# Altium PCB LAY-94611_B.PcbDoc (part 1 of 16) (continued)
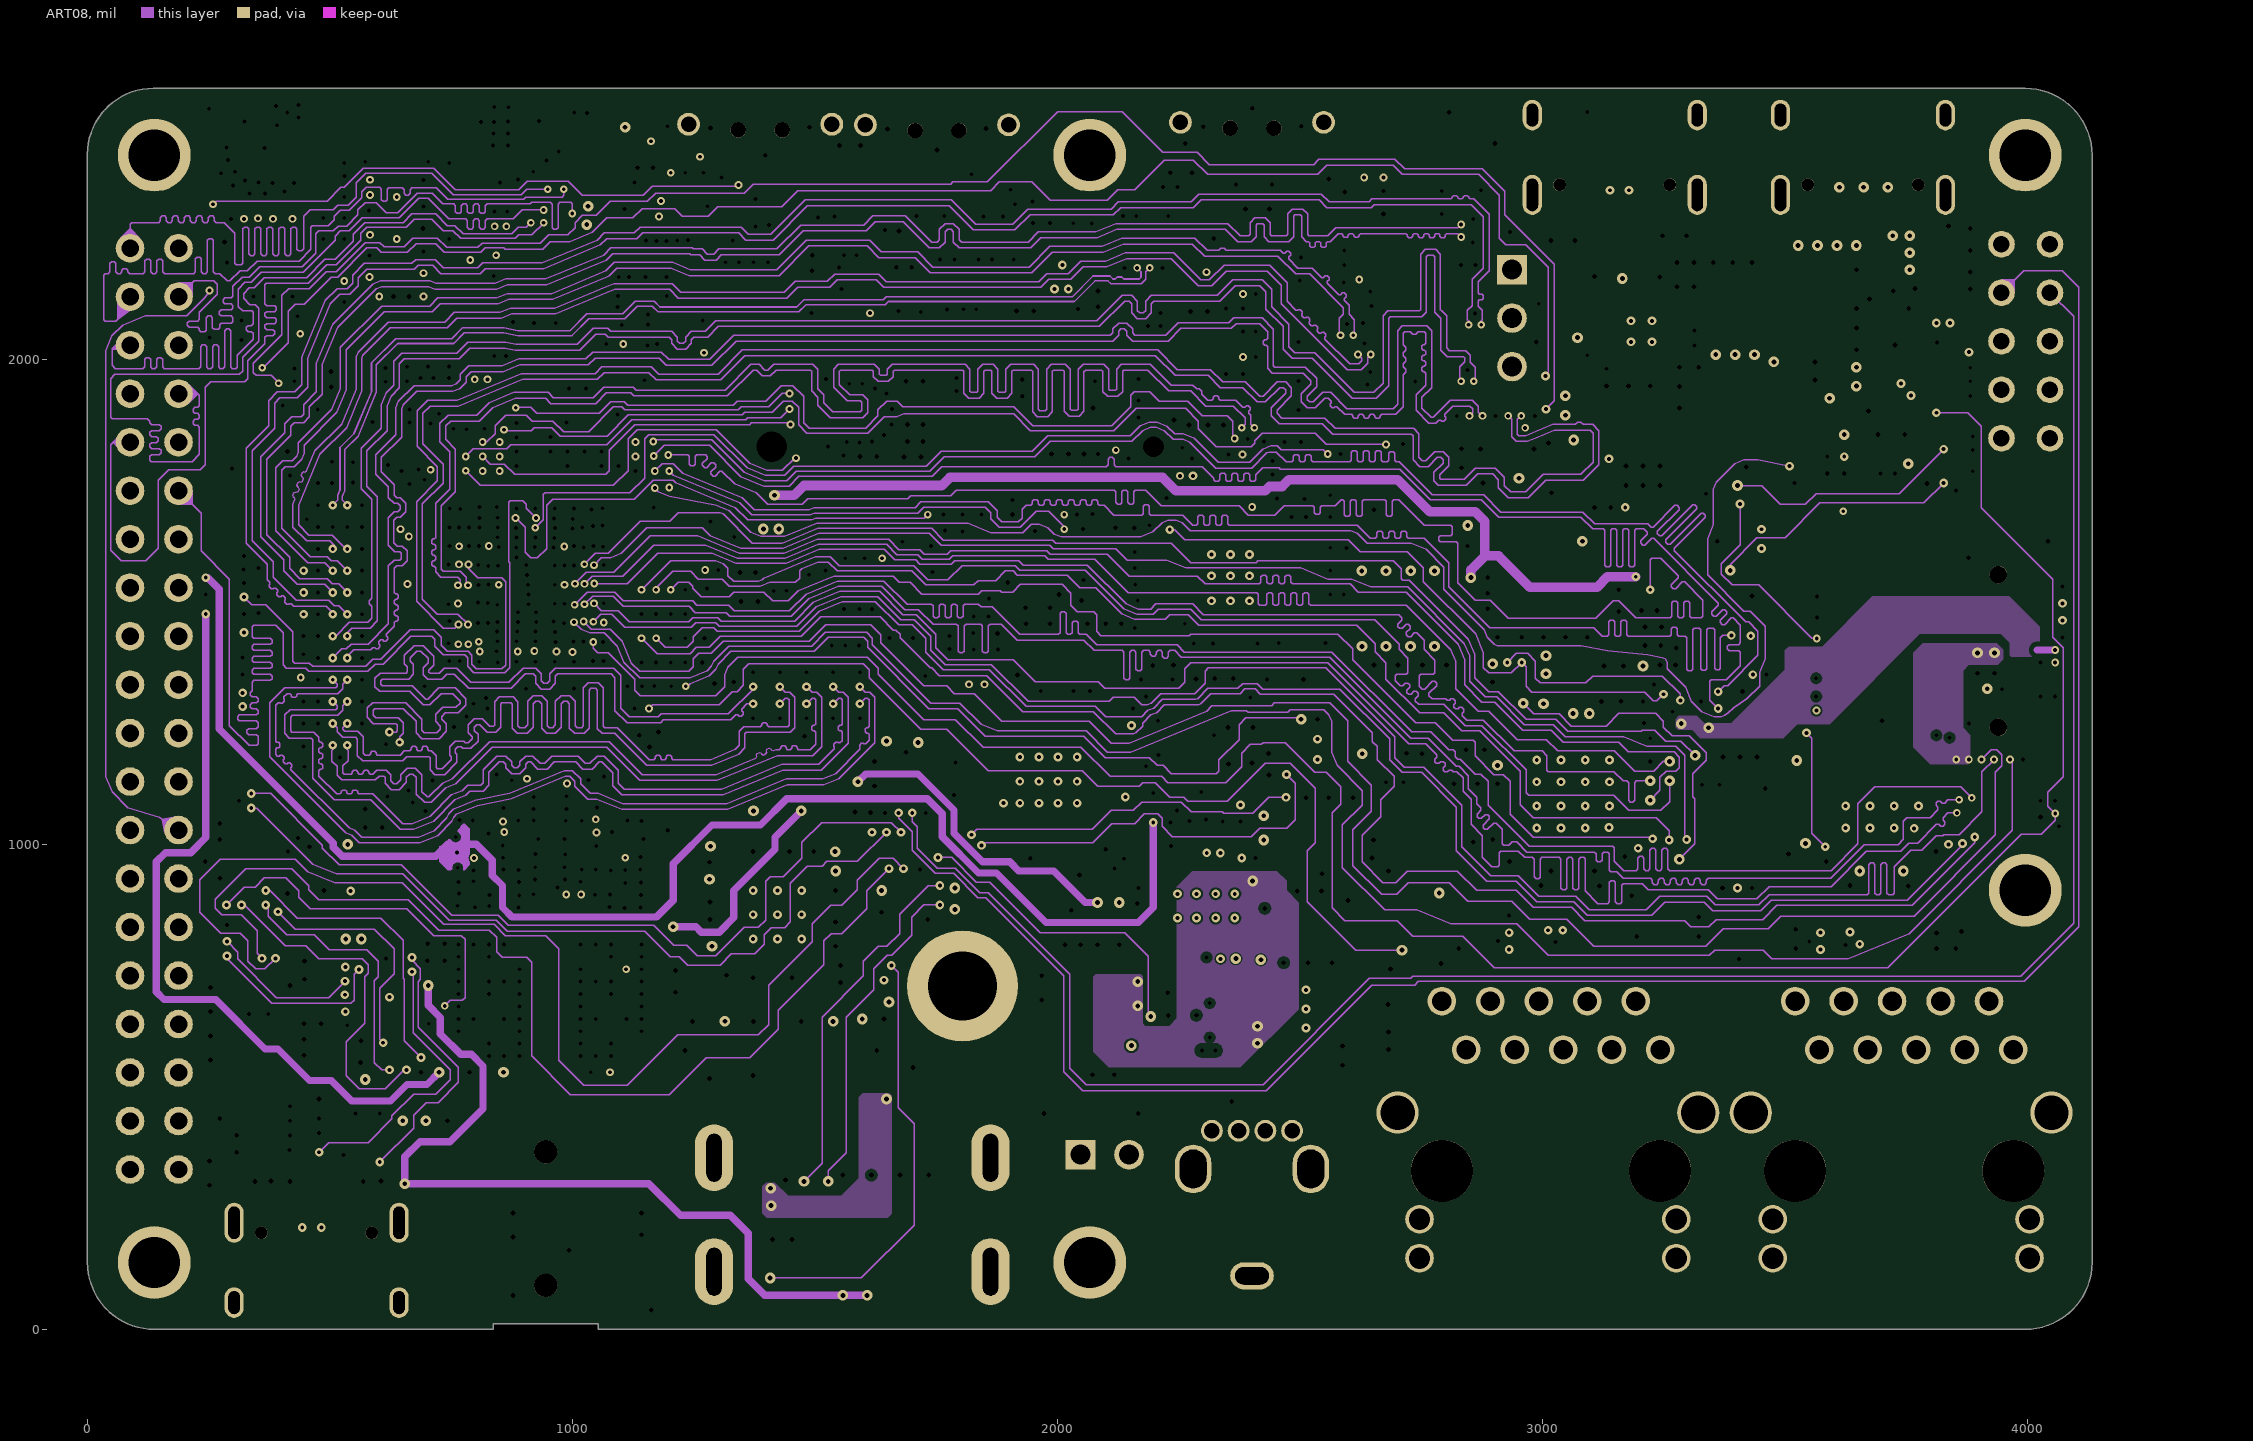
[diagram p8: ART08]
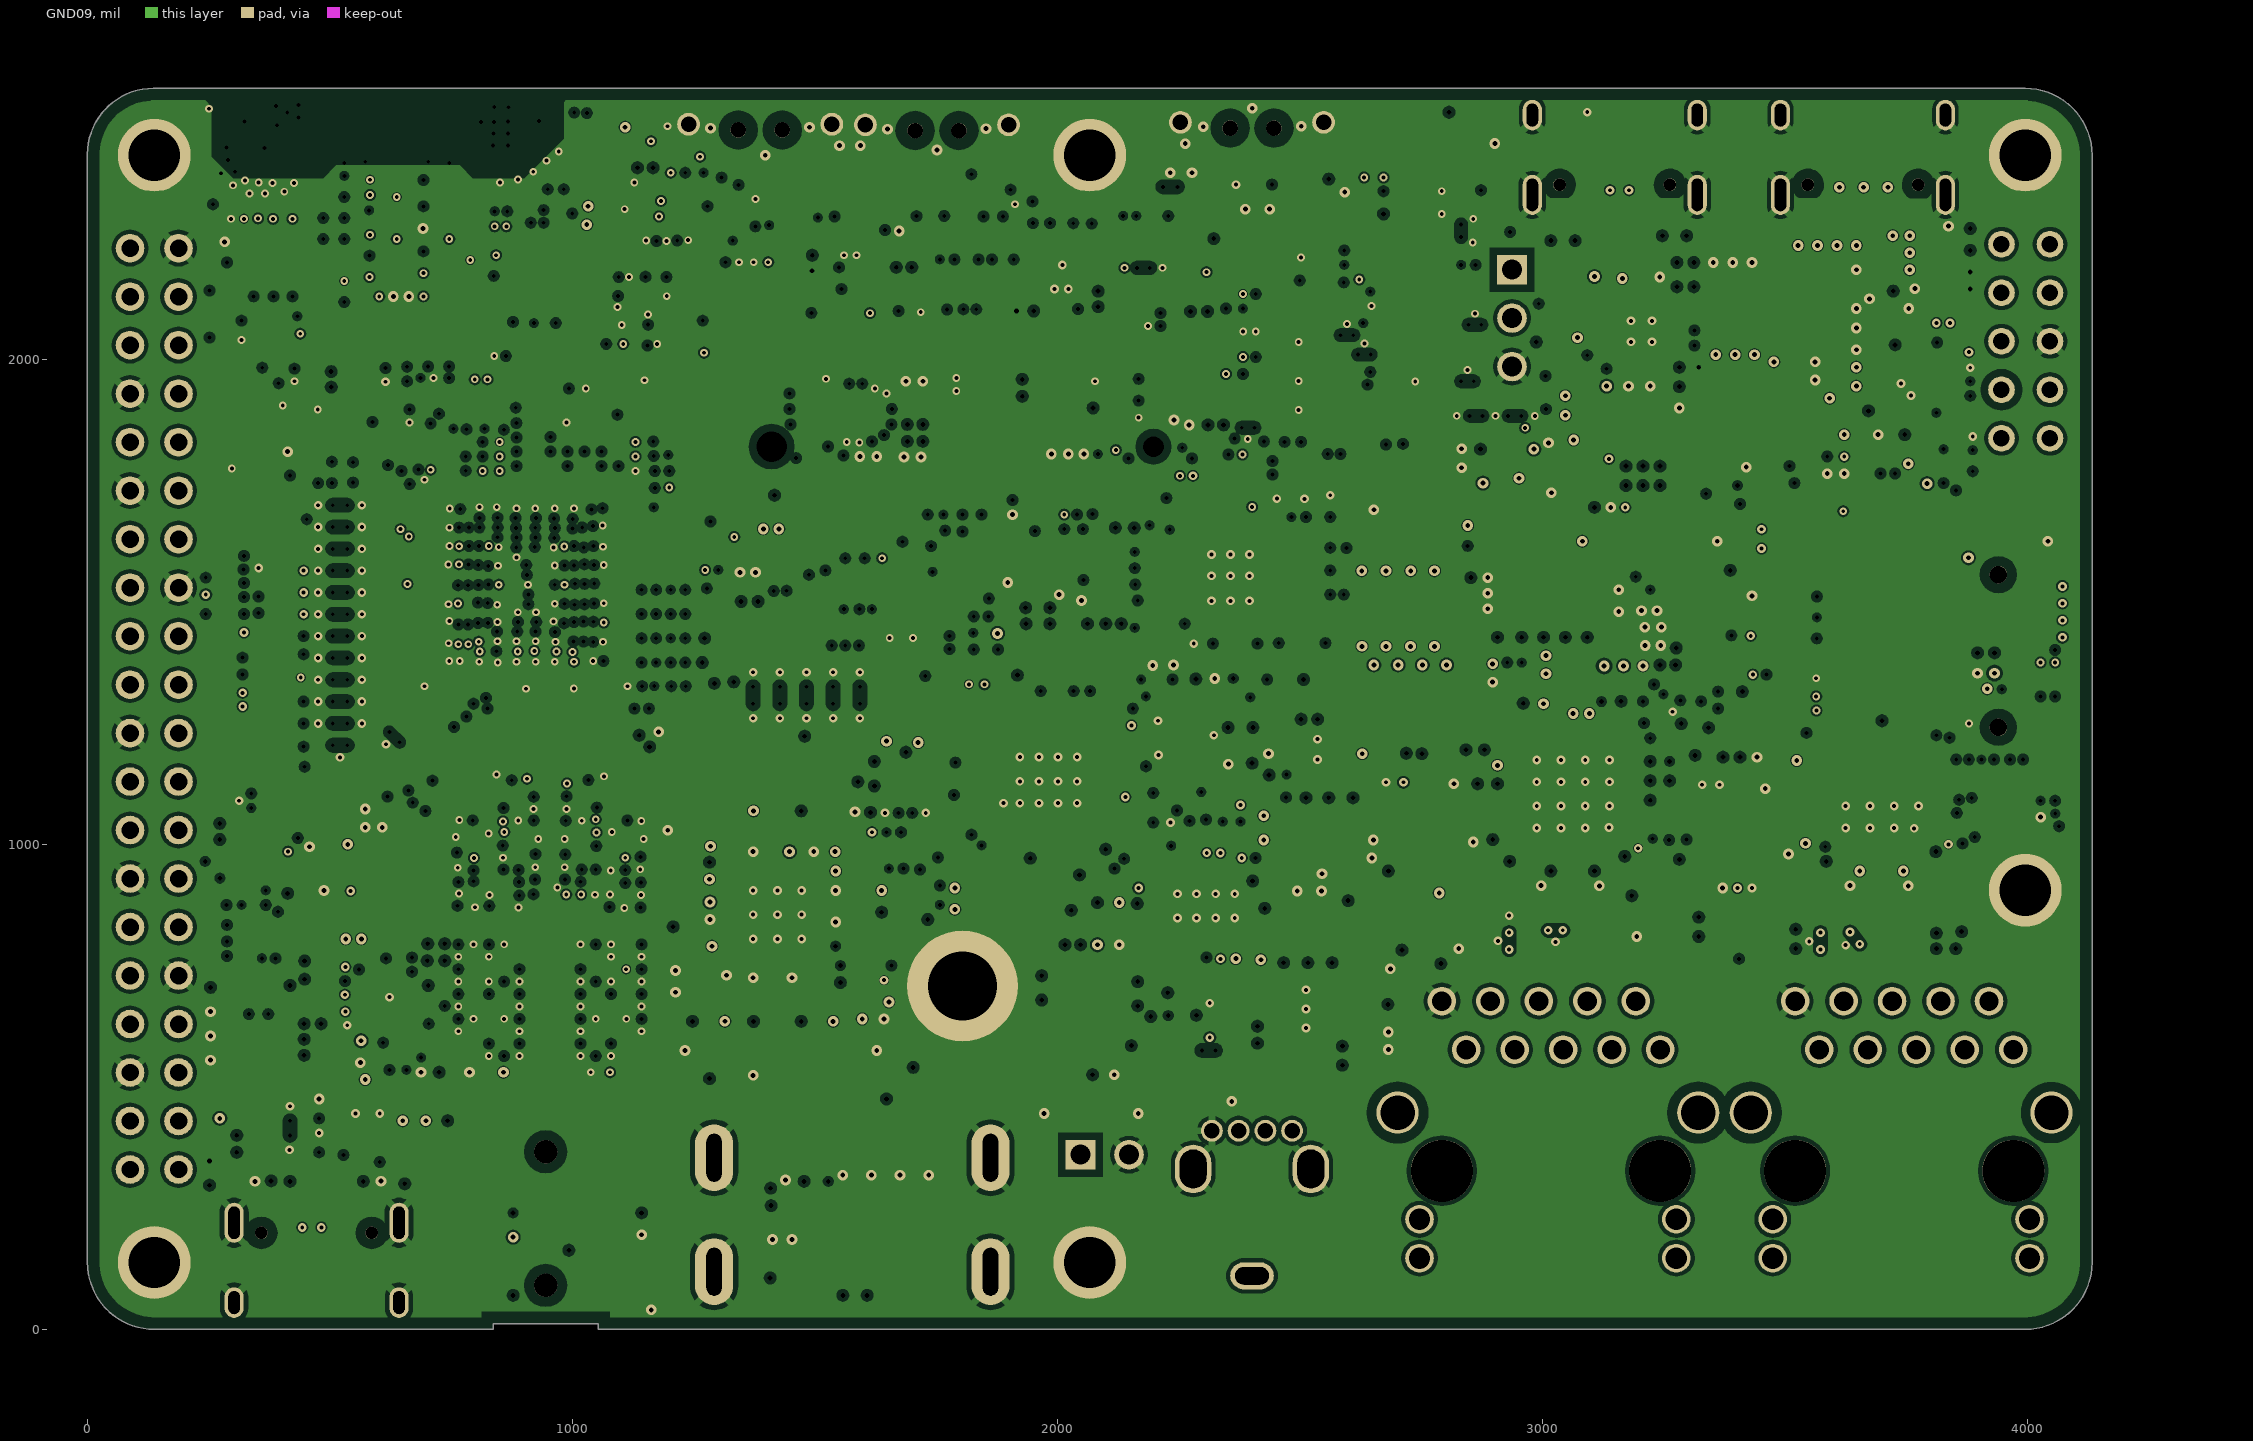
[diagram p9: GND09]

## Layer stack, top to bottom
Top Solder: solder mask 1, Solder Resist, Dk 4.2
TOP: signal copper 0.5
Dielectric 1: prepreg 2.61, FR-4, Dk 4.4
GND02: signal copper 1.4
Dielectric2: core 3, FR-4, Dk 4.2
ART03: signal copper 1.4
Dielectric3: prepreg 8.8, FR-4, Dk 4.2
PWR04: signal copper 1.4
Dielectric4: core 4, FR-4, Dk 4.2
PWR05: signal copper 1.4
Dielectric5: prepreg 8.8, FR-4, Dk 4.2
ART06: signal copper 1.4
Dielectric6: core 4, FR-4, Dk 4.2
GND7: signal copper 1.4
Dielectric7: prepreg 8.8, FR-4, Dk 4.2
ART08: signal copper 1.4
Dielectric8: core 3, FR-4, Dk 4.2
GND09: signal copper 1.4
Dielectric9: prepreg 2.61, FR-4, Dk 4.4
BOTTOM: signal copper 0.5
Bottom Solder: solder mask 1, Solder Resist, Dk 4.2

## Board outline
0,2423.03 0,137.79 ccw(c137.79,137.79) 137.8,0 836.62,0 836.62,11.81 1053.15,11.81 1053.15,0 3996.07,0 ccw(c3996.07,137.79) 4133.86,137.79 4133.86,2421.26 ccw(c3996.07,2421.26) 3996.07,2559.05 1460,2559.05 136.02,2559.05 ccw(c136.02,2423.03)

## Design rules (kind name [scope] priority, off if disabled: settings)
BoardOutlineClearance [All] p1: gap=10 ignorepadtopadclearanceinfootprint=FALSE except(0: Arc-SplitContinuation Track-SplitContinuation SMDPad-SplitContinuation THPad-SplitContinuation Via-SplitContinuation Fill-SplitContinuation Poly-SplitContinuation Region-SplitContinuation Text-SplitContinuation; 15: THPad-OutlineEdge; 25: Via-OutlineEdge Fill-OutlineEdge Poly-OutlineEdge Region-OutlineEdge)
Clearance Clearance_PolyKeepout [InPolygon and Not InNetClass('CHASSIS') vs IsKeepOut and IsComponentPrimitive] p1: gap=0 ignorepadtopadclearanceinfootprint=FALSE
Clearance Clearance_Fanout [InPolygon vs WithinRoom('CPUROOM') or WithinRoom('CPUROOM_B')] p2: gap=4 ignorepadtopadclearanceinfootprint=FALSE except(5.98: Fill-Fill Fill-Poly Fill-Region Poly-Poly Poly-Region Region-Region; 8: Fill-Hole Poly-Hole Region-Hole)
Clearance Clearance_Chassis [InNetClass('CHASSIS')] p3: gap=5.98 ignorepadtopadclearanceinfootprint=FALSE except(8: Fill-Hole Poly-Hole Region-Hole; 10: Arc-Fill Arc-Poly Arc-Region Track-Fill Track-Poly Track-Region; 20: THPad-Fill THPad-Poly THPad-Region)
Clearance Clearance_HoleToCopperPoly [InPolygon vs Not InNetClass('CLK')] p4: gap=5.98 ignorepadtopadclearanceinfootprint=FALSE except(4: Via-Fill Via-Poly Via-Region; 8: THPad-Fill THPad-Poly THPad-Region Fill-Hole Poly-Hole Region-Hole; 10: Arc-Fill Arc-Poly Arc-Region Track-Fill Track-Poly Track-Region)
Clearance Clearance_PolyToClocks [All vs InNetClass('CLK')] p5: gap=15 ignorepadtopadclearanceinfootprint=FALSE except(5.98: Via-Via Via-Fill Via-Poly Via-Region Fill-Hole Poly-Hole Region-Hole; 6: Arc-Via Track-Via; 20: Arc-Fill Arc-Poly Arc-Region Track-Fill Track-Poly Track-Region)
Clearance [All] p6: gap=5.98 ignorepadtopadclearanceinfootprint=FALSE except(4: Via-Fill Via-Poly Via-Region; 8: Fill-Hole Poly-Hole Region-Hole; 10: Arc-Fill Arc-Poly Arc-Region Track-Fill Track-Poly Track-Region)
DiffPairsRouting [All] p1: maxlimit=10 minlimit=10 mostfreqgap=10 toplayer_minwidth=15 toplayer_maxwidth=15 toplayer_prefwidth=15 midlayer1_minwidth=15 midlayer1_maxwidth=15 midlayer1_prefwidth=15 midlayer2_minwidth=15 midlayer2_maxwidth=15 midlayer2_prefwidth=15 midlayer3_minwidth=15 midlayer3_maxwidth=15 midlayer3_prefwidth=15 midlayer4_minwidth=15 midlayer4_maxwidth=15 midlayer4_prefwidth=15 midlayer5_minwidth=15 midlayer5_maxwidth=15 midlayer5_prefwidth=15 midlayer6_minwidth=15 midlayer6_maxwidth=15 midlayer6_prefwidth=15 midlayer7_minwidth=15 midlayer7_maxwidth=15 midlayer7_prefwidth=15 midlayer8_minwidth=15 midlayer8_maxwidth=15 midlayer8_prefwidth=15 bottomlayer_minwidth=15 bottomlayer_maxwidth=15 bottomlayer_prefwidth=15 maxuncoupledlength=500
PlaneConnect [All] p1: planeconnectstyle=Direct reliefexpansion=20 reliefentries=4 reliefconductorwidth=10 reliefairgap=10
PolygonConnect [All] p1: connectstyle=Direct reliefconductorwidth=15 reliefentries=4 polygonreliefangle="45 Angle" airgapwidth=10
RoomDefinition CPUROOM_B [False] p1: confinementstyle=ConfineIn formatcopy=TRUE lockcomponents=FALSE outline 722.25,1705.75 1100,1705.75 1100,1365 722.25,1365
RoomDefinition CPUROOM [False] p2: confinementstyle=ConfineIn formatcopy=TRUE lockcomponents=FALSE outline 701.27,1738.82 1107.68,1738.82 1107.68,1332.4 701.27,1332.4
RoutingVias [All] p1: holewidth=8 width=18 viastyle="Through Hole" minholewidth=8 minwidth=18 maxholewidth=28 maxwidth=50
SolderMaskExpansion SolderMaskExpansion_1 [IsVia] p1: expansion=0 istentingtop=TRUE
SolderMaskExpansion [All] p2: expansion=0 istentingtop=FALSE
SupplyNets "Schematic Supply Nets_50" [InNet('DSI&CAM_3V3')] p1: voltage=0.000
SupplyNets "Schematic Supply Nets_49" [InNet('ENET2_DVDDL')] p2: voltage=0.000
SupplyNets "Schematic Supply Nets_48" [InNet('VBUS_USB2_5V')] p3: voltage=0.000
SupplyNets "Schematic Supply Nets_47" [InNet('PVCC2_1V8')] p4: voltage=0.000
SupplyNets "Schematic Supply Nets_46" [InNet('VLDO1_3V3')] p5: voltage=0.000
SupplyNets "Schematic Supply Nets_45" [InNet('ENET2_DVDD3')] p6: voltage=0.000
SupplyNets "Schematic Supply Nets_44" [InNet('ANVDD_1V8')] p7: voltage=0.000
SupplyNets "Schematic Supply Nets_43" [InNet('USB_PD_VBUS_F')] p8: voltage=0.000
SupplyNets "Schematic Supply Nets_42" [InNet('DEBUG_5V')] p9: voltage=0.000
SupplyNets "Schematic Supply Nets_41" [InNet('VDD_ANA_1V8')] p10: voltage=0.000
SupplyNets "Schematic Supply Nets_40" [InNet('NVCC_SD')] p11: voltage=0.000
SupplyNets "Schematic Supply Nets_39" [InNet('ENET1_DVDD3')] p12: voltage=0.000
SupplyNets "Schematic Supply Nets_38" [InNet('GND')] p13: voltage=0.000
SupplyNets "Schematic Supply Nets_37" [InNet('ENET1_AVDD3')] p14: voltage=0.000
SupplyNets "Schematic Supply Nets_36" [InNet('VEXT_1V8')] p15: voltage=0.000
SupplyNets "Schematic Supply Nets_35" [InNet('VCC_3V6')] p16: voltage=0.000
SupplyNets "Schematic Supply Nets_34" [InNet('VDD_3V3')] p17: voltage=0.000
SupplyNets "Schematic Supply Nets_33" [InNet('VLDO3_1V8')] p18: voltage=0.000
SupplyNets "Schematic Supply Nets_32" [InNet('APVDD_1V8')] p19: voltage=0.000
SupplyNets "Schematic Supply Nets_31" [InNet('VEXP_3V3')] p20: voltage=0.000
SupplyNets "Schematic Supply Nets_30" [InNet('LPD4/x_VDDQ')] p21: voltage=0.000
SupplyNets "Schematic Supply Nets_29" [InNet('VBBS')] p22: voltage=0.000
SupplyNets "Schematic Supply Nets_28" [InNet('VLDO_3V3')] p23: voltage=0.000
SupplyNets "Schematic Supply Nets_27" [InNet('ENET2_DVDD_RGMII')] p24: voltage=0.000
SupplyNets "Schematic Supply Nets_26" [InNet('VDD_ANA_0V8')] p25: voltage=0.000
SupplyNets "Schematic Supply Nets_25" [InNet('VEXP_5V')] p26: voltage=0.000
SupplyNets "Schematic Supply Nets_24" [InNet('LPD4/x_VDD2')] p27: voltage=0.000
SupplyNets "Schematic Supply Nets_23" [InNet('GND_CHASSIS2')] p28: voltage=0.000
SupplyNets "Schematic Supply Nets_22" [InNet('ENET1_DVDDL')] p29: voltage=0.000
SupplyNets "Schematic Supply Nets_21" [InNet('ENET1_DVDD_RGMII')] p30: voltage=0.000
SupplyNets "Schematic Supply Nets_20" [InNet('USBC_VBUS_F')] p31: voltage=0.000
SupplyNets "Schematic Supply Nets_19" [InNet('VCC_3V3_DEBUG')] p32: voltage=0.000
SupplyNets "Schematic Supply Nets_18" [InNet('PVCC1_1V8')] p33: voltage=0.000
SupplyNets "Schematic Supply Nets_17" [InNet('IVDD_1V8')] p34: voltage=0.000
SupplyNets "Schematic Supply Nets_16" [InNet('OVDD_3V3')] p35: voltage=0.000
SupplyNets "Schematic Supply Nets_15" [InNet('VBUS_IN')] p36: voltage=0.000
SupplyNets "Schematic Supply Nets_14" [InNet('VPCIe_3V3')] p37: voltage=0.000
SupplyNets "Schematic Supply Nets_13" [InNet('NVCC_BBSM_1V8')] p38: voltage=0.000
SupplyNets "Schematic Supply Nets_12" [InNet('ENET2_AVDDL')] p39: voltage=0.000
SupplyNets "Schematic Supply Nets_11" [InNet('ENET2_AVDD3')] p40: voltage=0.000
SupplyNets "Schematic Supply Nets_10" [InNet('TXAVCC_3V3')] p41: voltage=0.000
SupplyNets "Schematic Supply Nets_9" [InNet('LPD4/x_VDD1')] p42: voltage=0.000
SupplyNets "Schematic Supply Nets_8" [InNet('VDD_5V')] p43: voltage=0.000
SupplyNets "Schematic Supply Nets_7" [InNet('AVCC_3V3')] p44: voltage=0.000
SupplyNets "Schematic Supply Nets_6" [InNet('GND_CHASSIS1')] p45: voltage=0.000
SupplyNets "Schematic Supply Nets_5" [InNet('HDMI_5V')] p46: voltage=0.000
SupplyNets "Schematic Supply Nets_4" [InNet('VSYS_5V')] p47: voltage=0.000
SupplyNets "Schematic Supply Nets_3" [InNet('ENET1_AVDDL')] p48: voltage=0.000
SupplyNets "Schematic Supply Nets_2" [InNet('TXAVCC_1V8')] p49: voltage=0.000
SupplyNets "Schematic Supply Nets_1" [InNet('VDD_SOC_0V8')] p50: voltage=0.000
SupplyNets "Schematic Supply Nets" [InNet('VDD_SNVS_0V8')] p51: voltage=0.000
Width [All] p1: maxlimit=10 minlimit=10 preferedwidth=10 impedanceprofiledriven=TRUE minimp=60.000000 maximp=60.000000 favimp=60.000000
28 further rules are at their usual default settings.

## Classes and differential pairs
net class ENET: ENET1_INT ENET1_NINT ENET1_NRST ENET1_RST ENET1_TRXN0 ENET1_TRXN1 ENET1_TRXN2 ENET1_TRXN3 ENET1_TRXP0 ENET1_TRXP1 ENET1_TRXP2 ENET1_TRXP3 ENET2_INT ENET2_NINT ENET2_NRST ENET2_RST ENET2_TRXN0 ENET2_TRXN1 ENET2_TRXN2 ENET2_TRXN3 ENET2_TRXP0 ENET2_TRXP1 ENET2_TRXP2 ENET2_TRXP3
net class DRAM_POWER: LPD4/X_VDD1 LPD4/X_VDD2 LPD4/X_VDDQ LPD4X_VDDQ_0V6
net class DDR4: DRAM_CA0_A DRAM_CA1_A DRAM_CA2_A DRAM_CA3_A DRAM_CA4_A DRAM_CA5_A DRAM_CK_C_A DRAM_CK_T_A DRAM_CKE0_A DRAM_CKE1_A DRAM_DATA0_A DRAM_DATA1_A DRAM_DATA2_A DRAM_DATA3_A DRAM_DATA4_A DRAM_DATA5_A DRAM_DATA6_A DRAM_DATA7_A DRAM_DATA8_A DRAM_DATA9_A DRAM_DATA10_A DRAM_DATA11_A DRAM_DATA12_A DRAM_DATA13_A DRAM_DATA14_A DRAM_DATA15_A DRAM_DMI0_A DRAM_DMI1_A DRAM_NCS0_A DRAM_NCS1_A DRAM_NRESET DRAM_SDQS0_C_A DRAM_SDQS0_T_A DRAM_SDQS1_C_A DRAM_SDQS1_T_A DRAM_ZN DRAM_ZQ0 LPD4/X_VDD1 LPD4/X_VDD2 LPD4/X_VDDQ LPD4X_VDDQ_0V6
net class USB: USB1_CC1 USB1_CC2 USB1_VBUS_IN USB2_HOST_DN USB2_HOST_DP USB_CC1_PD USB_CC2_PD USB_DEBUG_DN USB_DEBUG_DP USB_I2C_SCL USB_I2C_SDA USB_PD_VBUS_F USBC1_DM USBC1_DP USBC_CC1 USBC_CC2 USBC_EN_SNK1 USBC_EN_SRC1 USBC_I2C_SCL USBC_I2C_SDA USBC_VBUS_F
net class CHASSIS: GND_CHASSIS1 GND_CHASSIS2
net class CLK: BT_154_RST BT_RST CAM_MCLK CAM_SCL CLKIN1 CLKIN2 CLKO03 CLKO04 CSI_NRST CTP_RST DDC_SCL DDCSCL DRAM_NRESET DSI_SCL ENET1_MDC ENET1_NRST ENET1_PHYAD1 ENET1_RST ENET1_TXC ENET2_NRST ENET2_PHYAD1 ENET2_RST ENET2_TXC I2C1_SCL I2C2_SCL I2C3_SCL I2C4_SCL I2C_IND_RST_15_4 I3C1_SCL I3C2_SCL I3C_SCL JTAG_TCK LD_I2C_SCL LVDS_NRST LVDS_RST M2_I2C_SCL M2_NPERST M2_PCM_CLK M2_SD_CLK M2_SD_NRST PCF2131_SCL PD_I2C_SCL PDM_CLK PMIC_SCLL RTC_CLK SAI1_TXC SD1_CLK SD2_CLK SD2_RESET_B SD3_CLK SD3_NRST SD_CLK SPI3_CLK SUSCLK SYS_NRST USB_I2C_SCL USBC_I2C_SCL VEN_SPI_CLK W2_BT_154_RST W2_JTAG_TCK W2_PCM_CLK W2_PCM_MCLK W2_SD_CLK W2_SPI_CLK WL_RST
differential pair USBC1_D: +USBC1_DM -USBC1_DP
differential pair USB2_HOST_D: +USB2_HOST_DN -USB2_HOST_DP
differential pair USB_DEBUG_D: +USB_DEBUG_DN -USB_DEBUG_DP
differential pair DIFFPAIR20: +NetP17_2 -NetP17_3
differential pair M2_USB_D: +M2_USB_DN -M2_USB_DP
differential pair HDMI_D2_: +HDMI_D2_P -HDMI_D2_N
differential pair HDMI_D1_: +HDMI_D1_P -HDMI_D1_N
differential pair HDMI_D0_: +HDMI_D0_P -HDMI_D0_N
differential pair HDMI_CLK_: +HDMI_CLK_P -HDMI_CLK_N
differential pair ENET2_TRX3: +ENET2_TRXN3 -ENET2_TRXP3
differential pair ENET2_TRX2: +ENET2_TRXN2 -ENET2_TRXP2
differential pair ENET2_TRX1: +ENET2_TRXN1 -ENET2_TRXP1
differential pair ENET2_TRX0: +ENET2_TRXN0 -ENET2_TRXP0
differential pair ENET1_TRX3: +ENET1_TRXN3 -ENET1_TRXP3
differential pair ENET1_TRX2: +ENET1_TRXN2 -ENET1_TRXP2
differential pair ENET1_TRX1: +ENET1_TRXN1 -ENET1_TRXP1
differential pair ENET1_TRX0: +ENET1_TRXN0 -ENET1_TRXP0
differential pair DIFFPAIR15: +DRAM_SDQS1_C_A -DRAM_SDQS1_T_A
differential pair DIFFPAIR16: +DRAM_SDQS0_C_A -DRAM_SDQS0_T_A
differential pair DIFFPAIR17: +DRAM_CK_C_A -DRAM_CK_T_A
differential pair DEBUG_D: +DEBUG_DN -DEBUG_DP
differential pair DIFFPAIR2: +DSI_CLK_P -DSI_CLK_N
differential pair DIFFPAIR5: +CSI_CLK_P -CSI_CLK_N
differential pair DIFFPAIR12: +LVDS_TX3_P -LVDS_TX3_N
differential pair DIFFPAIR0: +DSI_D3_P -DSI_D3_N
differential pair DIFFPAIR1: +DSI_D2_P -DSI_D2_N
differential pair DIFFPAIR3: +DSI_D1_P -DSI_D1_N
differential pair DIFFPAIR4: +DSI_D0_P -DSI_D0_N
differential pair DIFFPAIR8: +LVDS_TX0_P -LVDS_TX0_N
differential pair DIFFPAIR9: +LVDS_TX1_P -LVDS_TX1_N
differential pair DIFFPAIR11: +LVDS_CLK_P -LVDS_CLK_N
differential pair DIFFPAIR10: +LVDS_TX2_P -LVDS_TX2_N
differential pair DIFFPAIR14: +USB2_DN -USB2_DP
differential pair DIFFPAIR13: +USB1_DM -USB1_DP
differential pair DIFFPAIR7: +CSI_D0_P -CSI_D0_N
differential pair DIFFPAIR6: +CSI_D1_P -CSI_D1_N
